# Altium PCB MS1_PCB.PcbDoc (part 1 of 2) (continued)
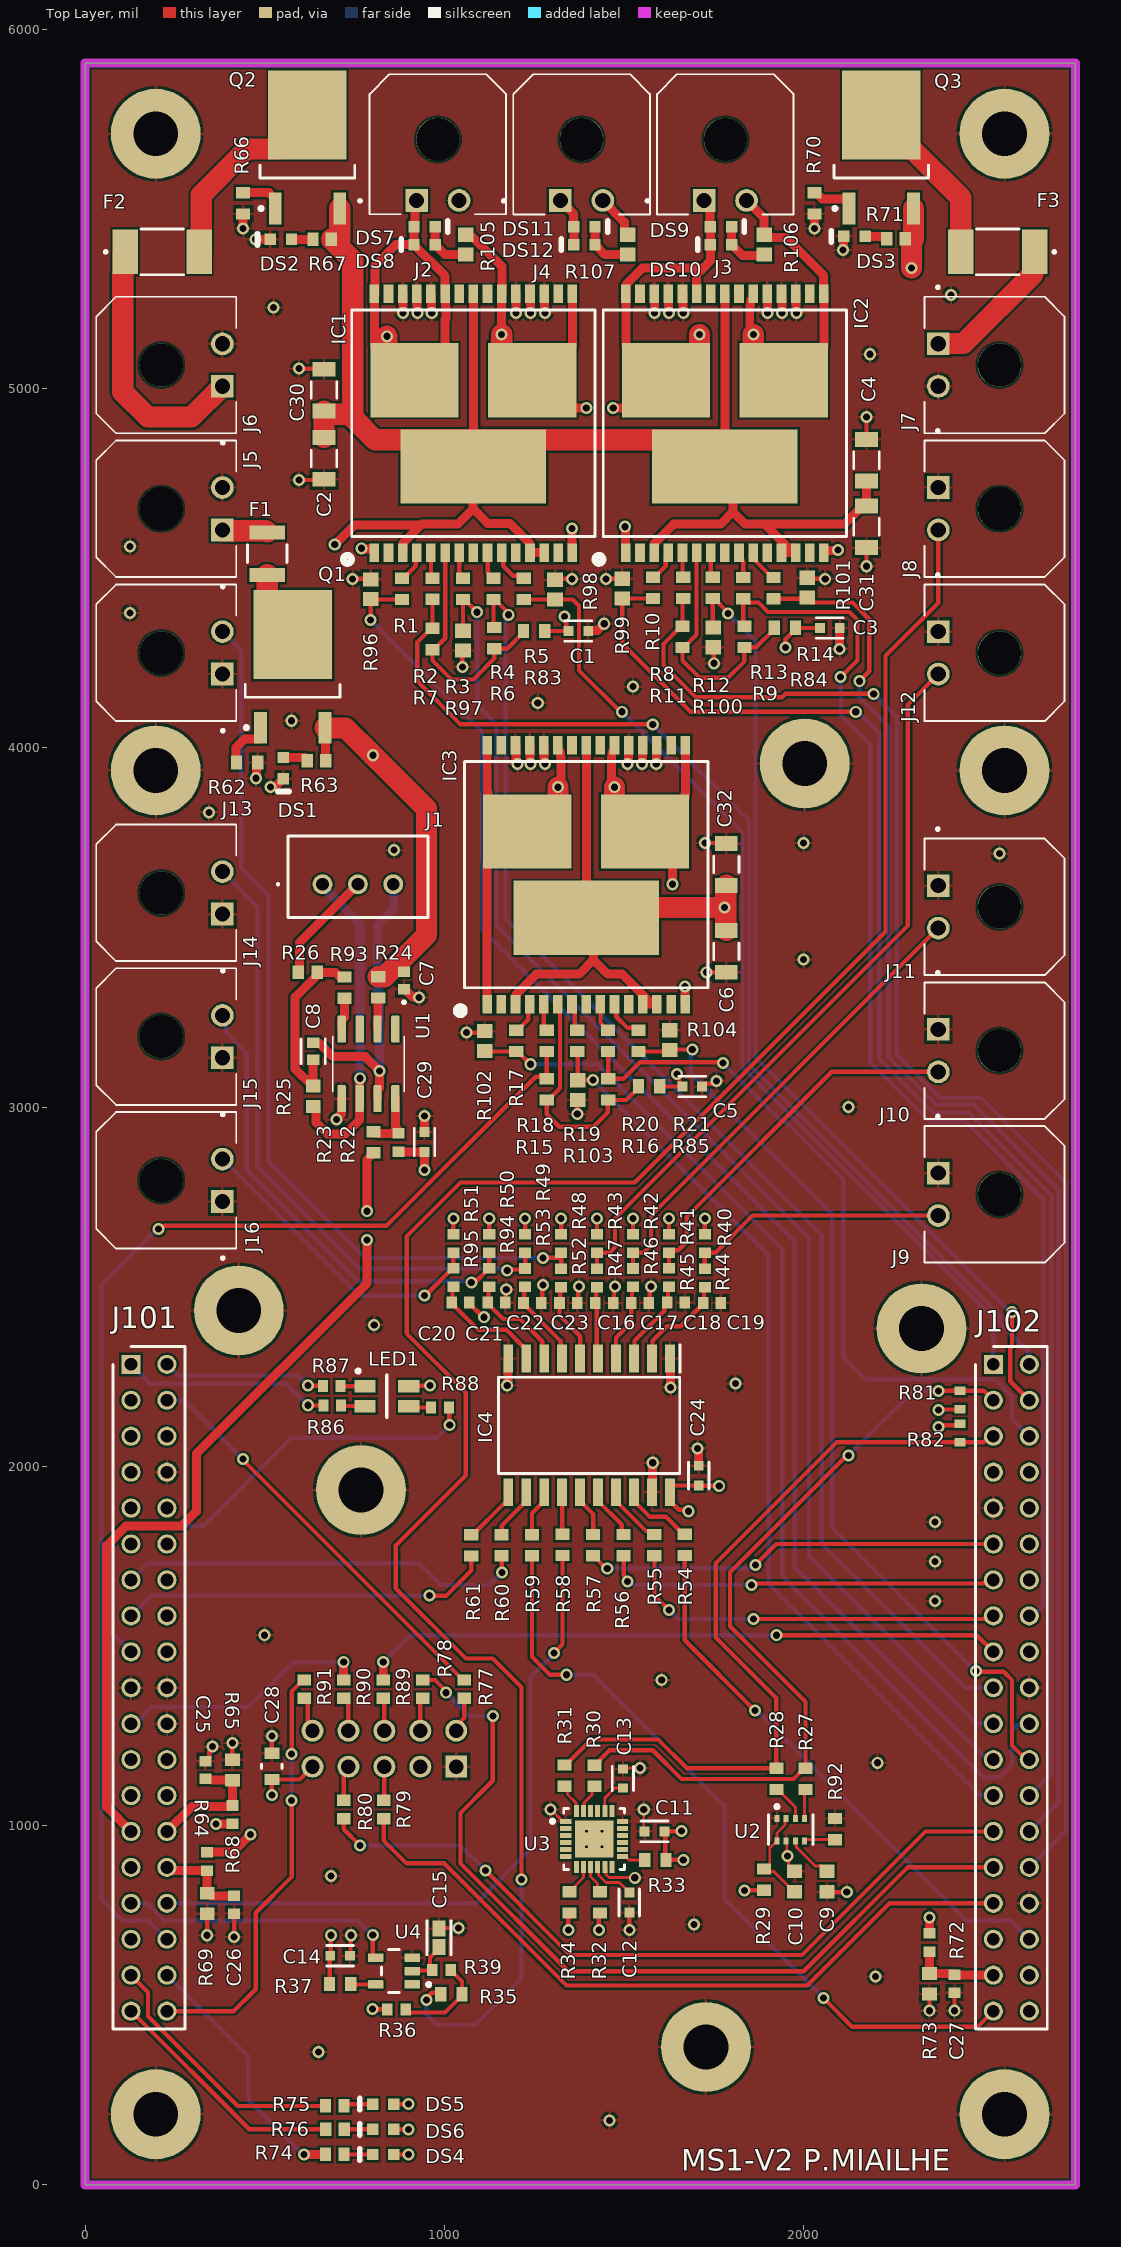
[diagram p0: Top Layer view]
## Part data (continued)
R65 R69 R73: library part CMP-2000-00317-1, Case Code (Imperial)=0603, Case Code (Metric)=1608, Manufacturer=Panasonic, Max Operating Temperature=155°C, Max Power Dissipation=100mW, Min Operating Temperature=-55°C, Package Quantity=1, Resistance=2kR, Resistance Tolerance=1%, Resistor Type="Thick Film", Supplier Part Number 1=667-ERJ-3EKF2001V, Temperature Coefficient=100ppm/°C, Voltage Rating=75V, Voltage Rating (DC)=50V, Case/Package=0603, Category="Chip SMD Resistors", ComponentLink1Description=https://datasheet.ciiva.com/43460/1678782-43460485.pdf?src-supplier=Farnell, ComponentLink1URL=https://datasheet.ciiva.com/43460/1678782-43460485.pdf?src-supplier=Farnell, ComponentLink2Description=https://datasheet.ciiva.com/6082/1678782-6082059.pdf?src-supplier=Farnell, ComponentLink2URL=https://datasheet.ciiva.com/6082/1678782-6082059.pdf?src-supplier=Farnell, ComponentLink3Description=https://datasheet.ciiva.com/46377/1678782-46377366.pdf?src-supplier=Element14, ComponentLink3URL=https://datasheet.ciiva.com/46377/1678782-46377366.pdf?src-supplier=Element14, ComponentLink4Description=https://datasheet.ciiva.com/28673/1678782-28673990.pdf?src-supplier=Element14, ComponentLink4URL=https://datasheet.ciiva.com/28673/1678782-28673990.pdf?src-supplier=Element14, ComponentLink5Description=https://datasheet.ciiva.com/24027/aoa0000ce2-24027453.pdf?src-supplier=Mouser, ComponentLink5URL=https://datasheet.ciiva.com/24027/aoa0000ce2-24027453.pdf?src-supplier=Mouser, ComponentLink6Description=https://datasheet.ciiva.com/16771/70260748-16771369.pdf?src-supplier=Allied+Electronics, ComponentLink6URL=https://datasheet.ciiva.com/16771/70260748-16771369.pdf?src-supplier=Allied+Electronics, ComponentLink7Description=https://datasheet.ciiva.com/16200/aoa0000ce2-16200501.pdf?src-supplier=Future+Electronics, ComponentLink7URL=https://datasheet.ciiva.com/16200/aoa0000ce2-16200501.pdf?src-supplier=Future+Electronics, ComponentLink8Description=https://datasheet.ciiva.com/30064/aoa0000ce2-30064920.pdf?src-supplier=Onlinecomponents.com, ComponentLink8URL=https://datasheet.ciiva.com/30064/aoa0000ce2-30064920.pdf?src-supplier=Onlinecomponents.com, ComponentLink9Description=https://datasheet.ciiva.com/17214/aoa0000ce2-17214393.pdf?src-supplier=Avnet+Europe, ComponentLink9URL=https://datasheet.ciiva.com/17214/aoa0000ce2-17214393.pdf?src-supplier=Avnet+Europe, Construction=Rectangular, Contact Plating=Tin, Depth=0.8mm, Features="Automotive AEC-Q200", Height=0.022inch, Lead Free="Lead Free", Length=1.6mm, Manufacturer Part Number=ERJ-3EKF2001V, Military Standard=Not, Mount="Surface Mount", Number of Terminations=2, Packaging="Tape and Reel", Part Number=ERJ-3EKF2001V, Power Rating=100mW, Pricing 1="1=0,10000, 10=0,03200, 50=0,03200, 100=0,01500, 1000=0,00700, 10000=0,00400 (USD)", Radiation Hardening=No, REACH SVHC="No SVHC", RoHS=Yes, RoHS Compliant=Yes, Series=ERJ, Size Code=0603, Stock 1=44455, Supplier 1=Mouser, Termination=SMD/SMT, Tolerance=1%, Width=0.031inch
R66 R70: library part CMP-2100-03667-1, "Chip Resistor, 0 Ohm, +/- 5%, 0.1 W, -55 to 155 degC, 0603 (1608 Metric), RoHS, Tape and Reel", Case Code (Imperial)=0603, Case Code (Metric)=1608, Manufacturer=Yageo, Max Operating Temperature=155degC, Max Power Dissipation=100mW, Min Operating Temperature=-55degC, Package Description="2-Pin Surface Mount Device, Body 1.6 x 0.8 mm", Package Quantity=5000, Resistance=0R, Resistance Tolerance=5%, Resistor Type="Thick Film", Supplier Part Number 1=603-RC0603JR-070RL, Temperature Coefficient=200ppm/degreesC, Voltage Rating=50V, Case/Package=0603, Category="Chip SMD Resistors", ComponentLink1Description=https://datasheet.ciiva.com/11808/pyu-r-int-6-11808700.pdf?src-supplier=RSComponents, ComponentLink1URL=https://datasheet.ciiva.com/11808/pyu-r-int-6-11808700.pdf?src-supplier=RSComponents, ComponentLink2Description=https://datasheet.ciiva.com/22747/443971-22747530.pdf?src-supplier=Element14, ComponentLink2URL=https://datasheet.ciiva.com/22747/443971-22747530.pdf?src-supplier=Element14, ComponentLink3Description=https://datasheet.ciiva.com/12555/rc0603-272842-12555254.pdf?src-supplier=Mouser, ComponentLink3URL=https://datasheet.ciiva.com/12555/rc0603-272842-12555254.pdf?src-supplier=Mouser, ComponentLink4Description=https://datasheet.ciiva.com/7746/1738695-7746421.pdf?src-supplier=Element14, ComponentLink4URL=https://datasheet.ciiva.com/7746/1738695-7746421.pdf?src-supplier=Element14, ComponentLink5Description=https://datasheet.ciiva.com/7746/1738695-7746422.pdf?src-supplier=Element14, ComponentLink5URL=https://datasheet.ciiva.com/7746/1738695-7746422.pdf?src-supplier=Element14, ComponentLink6Description=https://datasheet.ciiva.com/8883/pyu-rc0603-51-rohs-l-4-8883045.pdf?src-supplier=Avnet, ComponentLink6URL=https://datasheet.ciiva.com/8883/pyu-rc0603-51-rohs-l-4-8883045.pdf?src-supplier=Avnet, ComponentLink7Description=https://datasheet.ciiva.com/15189/getdatasheetpartid-329462-15189845.pdf?src-supplier=Verical, ComponentLink7URL=https://datasheet.ciiva.com/15189/getdatasheetpartid-329462-15189845.pdf?src-supplier=Verical, Composition=ThickFilm, Construction=Rectangular, Contact Plating=Tin, Datasheet URL=http://www.yageo.com/NewPortal/yageodocoutput?fileName=/pdf/R-Chip/PYu-RC_Group_51_RoHS_L_5.pdf, Datasheet Version="Rev. 5, 10/2016", Depth=0.8mm, Features="Moisture Resistant", Height=0.45mm, Lead Free=LeadFree, Length=1.6mm, Manufacturer Part Number=RC0603JR-070RL, Manufacturer URL=http://www.yageo.com/, Military Standard=Not, Number of Pins=2, Number of Terminations=2, Package Reference=0603, Packaging=TapeandReel, Power Rating=100mW, Pricing 1="1=0,10000, 10=0,01000, 50=0,01000, 100=0,00500, 1000=0,00400, 5000=0,00200, 10000=0,00200 (USD)", Radiation Hardening=No, REACH SVHC=NoSVHC, RoHS=Yes, RoHS Compliant=Yes, RoHSCompliant=true, Series=RC, Size Code=0603, Stock 1=968392, Supplier 1=Mouser, Technology="THICK FILM", Termination=SMD/SMT, Tolerance=5%, Voltage Rating (DC)=50V, Width=0.8mm
R77 R78 R79 R80 R89 R90 R91: library part CMP-2000-03816-5, "Chip Resistor, 0 Ohm, Jumper, 100 mW, -55 to 155 degC, 0603 (1608 Metric), RoHS, Tape and Reel", Manufacturer="Vishay Semiconductor", Max Operating Temperature="155 degC", Min Operating Temperature="-55 degC", Package Quantity=5000, Resistor=0R, Voltage Rating="75 V", ComponentLink1Description="Manufacturer URL", ComponentLink1URL=http://www.vishay.com/, ComponentLink2Description=Datasheet, ComponentLink2URL=http://www.vishay.com/docs/20035/dcrcwe3.pdf, DatasheetVersion=06/2012, Height="0.45 mm", Length="1.55 mm", Mount="Surface Mount", Mounting Technology="Surface Mount", PackageDescription="2-Pin Surface Mount Device, Body 1.575 x 0.85 mm", Packaging="Tape and Reel", Pins=2, REACH SVHC=Unknown, RoHSCompliant=true
R81 R82: library part CMP-2000-06942-1, "Chip Resistor, 4.7 KOhm, +/- 1%, 0.1 W, -55 to 155 degC, 0603 (1608 Metric), RoHS, Tape and Reel", Case Code (Imperial)=0603, Case Code (Metric)=1608, Manufacturer=Yageo, Max Operating Temperature=155°C, Max Power Dissipation=100mW, Min Operating Temperature=-55°C, Operating Temperature Range=-55Cto+155C, Package Description="2-Pin Surface Mount Device, Body 1.6 x 0.8 mm", Resistance=4.7k, Resistance Tolerance=1%, Resistor Type="Thick Film", Supplier Part Number 1=603-RC0603FR-074K7L, Temperature Coefficient=100PPM/C, Voltage Rating=50V, Case Code - mm=1608, Case/Package=0603, Category="Chip SMD Resistors", ComponentLink1Description=https://datasheet.ciiva.com/15189/getdatasheetpartid-422754-15189760.pdf?src-supplier=Verical, ComponentLink1URL=https://datasheet.ciiva.com/15189/getdatasheetpartid-422754-15189760.pdf?src-supplier=Verical, ComponentLink2Description=https://datasheet.ciiva.com/22747/443971-22747528.pdf?src-supplier=Element14, ComponentLink2URL=https://datasheet.ciiva.com/22747/443971-22747528.pdf?src-supplier=Element14, ComponentLink3Description=https://datasheet.ciiva.com/7660/38590-7660794.pdf?src-supplier=Element14, ComponentLink3URL=https://datasheet.ciiva.com/7660/38590-7660794.pdf?src-supplier=Element14, ComponentLink4Description=https://datasheet.ciiva.com/7746/1868787-7746365.pdf?src-supplier=Element14, ComponentLink4URL=https://datasheet.ciiva.com/7746/1868787-7746365.pdf?src-supplier=Element14, ComponentLink5Description=https://datasheet.ciiva.com/46440/1868787-46440909.pdf?src-supplier=Element14, ComponentLink5URL=https://datasheet.ciiva.com/46440/1868787-46440909.pdf?src-supplier=Element14, ComponentLink6Description=https://datasheet.ciiva.com/7746/1738695-7746366.pdf?src-supplier=Element14, ComponentLink6URL=https://datasheet.ciiva.com/7746/1738695-7746366.pdf?src-supplier=Element14, Construction=Rectangular, Datasheet URL=http://www.yageo.com/documents/recent/PYu-RC_Group_51_RoHS_L_7.pdf, Datasheet Version="Rev. 7, 05/2017", Depth=0.8mm, Features="Moisture Resistant", Height=0.45mm, Lead Free="Lead Free", Lead Pitch=0.3mm, Length=1.6mm, Manufacturer Part Number=RC0603FR-074K7L, Manufacturer URL=http://www.yageo.com/, Military Standard=Not, Mounting Technology=SurfaceMount, Number of Pins=2, Number of Terminations=2, Package Reference=0603, Packaging=Reel, Power Rating=100mW, Pricing 1="1=0,10000, 10=0,02400, 50=0,02400, 100=0,01000, 1000=0,00400, 5000=0,00300, 10000=0,00300 (USD)", Product=ThickFilmResistorsGeneralPurpose, REACH SVHC="No SVHC", RoHS=Yes, RoHS Compliant=Yes, Series=RC, Size Code=0603, Stock 1=772810, Supplier 1=Mouser, Termination=SMD/SMT, Termination Style=SMD/SMT, Tolerance=1%, Voltage Rating (DC)=50V, Width=0.8mm
R86 R87 R88: library part CMP-2000-00179-1, Case Code (Imperial)=0603, Case Code (Metric)=1608, Manufacturer=Panasonic, Manufacturer Part Number=ERJ3EKF1000V, Max Operating Temperature=155°C, Max Power Dissipation=100mW, Min Operating Temperature=-55°C, Package Quantity=5000, Resistance=100R, Resistance Tolerance=1%, Resistor Type="Thick Film", Supplier Part Number 1=1755733, Temperature Coefficient=100ppm/°C, Voltage Rating=75V, Category="Chip SMD Resistors", ComponentLink1Description=https://datasheet.ciiva.com/34303/1987450-34303565.pdf?src-supplier=Jameco, ComponentLink1URL=https://datasheet.ciiva.com/34303/1987450-34303565.pdf?src-supplier=Jameco, ComponentLink2Description=https://datasheet.ciiva.com/7830/aoa0000ce2-7830728.pdf?src-supplier=Element14, ComponentLink2URL=https://datasheet.ciiva.com/7830/aoa0000ce2-7830728.pdf?src-supplier=Element14, ComponentLink3Description=https://datasheet.ciiva.com/46372/1678782-46372726.pdf?src-supplier=Element14, ComponentLink3URL=https://datasheet.ciiva.com/46372/1678782-46372726.pdf?src-supplier=Element14, ComponentLink4Description=https://datasheet.ciiva.com/22667/1678782-22667887.pdf?src-supplier=Element14, ComponentLink4URL=https://datasheet.ciiva.com/22667/1678782-22667887.pdf?src-supplier=Element14, ComponentLink5Description=https://datasheet.ciiva.com/46372/1678782-46372727.pdf?src-supplier=Element14, ComponentLink5URL=https://datasheet.ciiva.com/46372/1678782-46372727.pdf?src-supplier=Element14, ComponentLink6Description=https://datasheet.ciiva.com/24159/aoa0000ce2-24159753.pdf?src-supplier=Mouser, ComponentLink6URL=https://datasheet.ciiva.com/24159/aoa0000ce2-24159753.pdf?src-supplier=Mouser, ComponentLink7Description=https://datasheet.ciiva.com/16762/70260748-16762666.pdf?src-supplier=Allied+Electronics, ComponentLink7URL=https://datasheet.ciiva.com/16762/70260748-16762666.pdf?src-supplier=Allied+Electronics, ComponentLink8Description=https://datasheet.ciiva.com/16765/70260748-16765766.pdf?src-supplier=Allied+Electronics, ComponentLink8URL=https://datasheet.ciiva.com/16765/70260748-16765766.pdf?src-supplier=Allied+Electronics, ComponentLink9Description=https://datasheet.ciiva.com/9186/aoa0000ce2-9186725.pdf?src-supplier=Avnet, ComponentLink9URL=https://datasheet.ciiva.com/9186/aoa0000ce2-9186725.pdf?src-supplier=Avnet, ComponentLink10Description=https://datasheet.ciiva.com/48530/aoa0000ce2-48530986.pdf?src-supplier=Avnet, ComponentLink10URL=https://datasheet.ciiva.com/48530/aoa0000ce2-48530986.pdf?src-supplier=Avnet, ComponentLink11Description=https://datasheet.ciiva.com/30088/aoa0000ce2-30088649.pdf?src-supplier=Onlinecomponents.com, ComponentLink11URL=https://datasheet.ciiva.com/30088/aoa0000ce2-30088649.pdf?src-supplier=Onlinecomponents.com, ComponentLink12Description=https://datasheet.ciiva.com/17207/aoa0000ce2-17207983.pdf?src-supplier=Avnet+Europe, ComponentLink12URL=https://datasheet.ciiva.com/17207/aoa0000ce2-17207983.pdf?src-supplier=Avnet+Europe, Construction=Rectangular, Contact Plating=Tin, Depth=0.8mm, Features="Automotive AEC-Q200", Height=0.45mm, Lead Free="Lead Free", Length=1.6mm, Military Standard=Not, Mount="Surface Mount", Number of Pins=2, Number of Terminations=2, Packaging="Tape and Reel", Part Number=ERJ-3EKF1000V, Power Rating=100mW, Pricing 1="5000=0,01000, 10000=0,00800, 15000=0,00800, 20000=0,00800, 5000=0,00700, 10000=0,00600, 15000=0,00600, 20000=0,00600 (USD)", Radiation Hardening=No, REACH SVHC="No SVHC", RoHS=Yes, RoHS Compliant=Yes, Series=ERJ, Size Code=0603, Stock 1=30000, Supplier 1=RSComponents, Termination=SMD/SMT, Tolerance=1%, Voltage Rating (DC)=75V, Weight=7.1E-05oz, Width=0.8mm
R96 R97 R98 R99 R100 R101 R102 R103 R104: library part CMP-2000-00875-1, Case Code (Imperial)=0603, Case Code (Metric)=1608, Manufacturer=Panasonic, Manufacturer Part Number=ERA-3AEB104V, Max Operating Temperature=155°C, Max Power Dissipation=100mW, Min Operating Temperature=-55°C, Package Quantity=5000, Resistance=100kR, Resistance Tolerance=0.1%, Resistor Type="Thin Film", Supplier Part Number 1=0566787, Temperature Coefficient=25ppm/°C, Voltage Rating=75V, Case/Package=0603, Category="Chip SMD Resistors", ComponentLink1Description=https://datasheet.ciiva.com/11808/0900766b80fe20f7-11808030.pdf?src-supplier=RSComponents, ComponentLink1URL=https://datasheet.ciiva.com/11808/0900766b80fe20f7-11808030.pdf?src-supplier=RSComponents, ComponentLink2Description=https://datasheet.ciiva.com/29183/451655-da-01-en-widerstand-0603-era-29183868.pdf?src-supplier=Conrad, ComponentLink2URL=https://datasheet.ciiva.com/29183/451655-da-01-en-widerstand-0603-era-29183868.pdf?src-supplier=Conrad, ComponentLink3Description=https://datasheet.ciiva.com/46388/485442-46388111.pdf?src-supplier=Element14, ComponentLink3URL=https://datasheet.ciiva.com/46388/485442-46388111.pdf?src-supplier=Element14, ComponentLink4Description=https://datasheet.ciiva.com/5734/485442-5734533.pdf?src-supplier=Farnell, ComponentLink4URL=https://datasheet.ciiva.com/5734/485442-5734533.pdf?src-supplier=Farnell, ComponentLink5Description=https://datasheet.ciiva.com/46422/485442-46422521.pdf?src-supplier=Element14, ComponentLink5URL=https://datasheet.ciiva.com/46422/485442-46422521.pdf?src-supplier=Element14, ComponentLink6Description=https://datasheet.ciiva.com/48530/era-eng-tds-48530350.pdf?src-supplier=Distrelec, ComponentLink6URL=https://datasheet.ciiva.com/48530/era-eng-tds-48530350.pdf?src-supplier=Distrelec, ComponentLink7Description=https://datasheet.ciiva.com/16724/70068849-16724943.pdf?src-supplier=Allied+Electronics, ComponentLink7URL=https://datasheet.ciiva.com/16724/70068849-16724943.pdf?src-supplier=Allied+Electronics, ComponentLink8Description=https://datasheet.ciiva.com/9186/aoa0000ce26-9186700.pdf?src-supplier=Avnet, ComponentLink8URL=https://datasheet.ciiva.com/9186/aoa0000ce26-9186700.pdf?src-supplier=Avnet, ComponentLink9Description=https://datasheet.ciiva.com/16202/aoa0000ce26-16202041.pdf?src-supplier=Future+Electronics, ComponentLink9URL=https://datasheet.ciiva.com/16202/aoa0000ce26-16202041.pdf?src-supplier=Future+Electronics, ComponentLink10Description=https://datasheet.ciiva.com/30100/54aoa0000ce26-30100782.pdf?src-supplier=Onlinecomponents.com, ComponentLink10URL=https://datasheet.ciiva.com/30100/54aoa0000ce26-30100782.pdf?src-supplier=Onlinecomponents.com, Construction=Rectangular, Contact Plating=Tin, Depth=0.8mm, Features="Automotive AEC-Q200", Height=0.45mm, Length=1.6mm, Military Standard=Not, Mount="Surface Mount", Number of Pins=2, Number of Terminations=2, Packaging="Tape and Reel", Part Number=ERA3AEB104V, Power Rating=100mW, Pricing 1="5=0.39000, 50=0.36200, 100=0.33800, 250=0.31600, 500=0.28800 (GBP)", Radiation Hardening=No, REACH SVHC="No SVHC", RoHS=Yes, RoHS Compliant=Yes, Series=ERA, Stock 1=29, Supplier 1=RSComponents, Technology="THIN FILM", Termination=SMD/SMT, Tolerance=0.1%, Width=0.8mm, Working Voltage=75V
R105 R106 R107: library part CMP-2000-00122-1, Case Code (Imperial)=0603, Case Code (Metric)=1608, Manufacturer=Panasonic, Max Operating Temperature=155°C, Max Power Dissipation=100mW, Min Operating Temperature=-55°C, Package Quantity=1, Resistance=750R, Resistance Tolerance=0.1%, Resistor Type="Thin Film", Supplier Part Number 1=6621117, Temperature Coefficient=25ppm/°C, Voltage Rating=75V, Case/Package=0603, Category="Chip SMD Resistors", ComponentLink1Description=https://datasheet.ciiva.com/11808/0900766b80fe20f7-11808070.pdf?src-supplier=RSComponents, ComponentLink1URL=https://datasheet.ciiva.com/11808/0900766b80fe20f7-11808070.pdf?src-supplier=RSComponents, ComponentLink2Description=https://datasheet.ciiva.com/29183/450701-da-01-en-widerstand-0603-era-29183748.pdf?src-supplier=Conrad, ComponentLink2URL=https://datasheet.ciiva.com/29183/450701-da-01-en-widerstand-0603-era-29183748.pdf?src-supplier=Conrad, ComponentLink3Description=https://datasheet.ciiva.com/48530/era-eng-tds-48530518.pdf?src-supplier=Distrelec, ComponentLink3URL=https://datasheet.ciiva.com/48530/era-eng-tds-48530518.pdf?src-supplier=Distrelec, ComponentLink4Description=https://datasheet.ciiva.com/7710/485442-7710616.pdf?src-supplier=Element14, ComponentLink4URL=https://datasheet.ciiva.com/7710/485442-7710616.pdf?src-supplier=Element14, ComponentLink5Description=https://datasheet.ciiva.com/7710/485442-7710617.pdf?src-supplier=Element14, ComponentLink5URL=https://datasheet.ciiva.com/7710/485442-7710617.pdf?src-supplier=Element14, ComponentLink6Description=https://datasheet.ciiva.com/7710/485442-7710618.pdf?src-supplier=Element14, ComponentLink6URL=https://datasheet.ciiva.com/7710/485442-7710618.pdf?src-supplier=Element14, ComponentLink7Description=https://datasheet.ciiva.com/30081/54aoa0000ce26-30081771.pdf?src-supplier=Onlinecomponents.com, ComponentLink7URL=https://datasheet.ciiva.com/30081/54aoa0000ce26-30081771.pdf?src-supplier=Onlinecomponents.com, ComponentLink8Description=https://datasheet.ciiva.com/22740/485442-22740940.pdf?src-supplier=Element14, ComponentLink8URL=https://datasheet.ciiva.com/22740/485442-22740940.pdf?src-supplier=Element14, ComponentLink9Description=https://datasheet.ciiva.com/9180/aoa0000ce26-9180142.pdf?src-supplier=Avnet, ComponentLink9URL=https://datasheet.ciiva.com/9180/aoa0000ce26-9180142.pdf?src-supplier=Avnet, Construction=Rectangular, Contact Plating=Tin, Depth=0.8mm, Features="Automotive AEC-Q200", Height=0.45mm, Lead Free="Lead Free", Length=1.6mm, Manufacturer Part Number=ERA-3AEB751V, Military Standard=Not, Mount="Surface Mount", Number of Pins=2, Number of Terminations=2, Packaging="Cut Tape", Part Number=ERA-3AEB751V, Power Rating=100mW, Pricing 1="5=0.80100, 50=0.74600, 100=0.69900, 250=0.64900, 500=0.59400 (USD)", Radiation Hardening=No, REACH SVHC="No SVHC", RoHS=Yes, RoHS Compliant=Yes, Series=ERA-3A, Stock 1=1, Supplier 1=RSComponents, Technology="THIN FILM", Termination=SMD/SMT, Tolerance=0.1%, Voltage Rating (DC)=75V, Width=0.8mm
U2: library part CMP-2000-05076-3, "SENSOR PRESSURE ABS", Case/Package=SMD/SMT, Max Operating Temperature=85°C, Min Operating Temperature=-40°C, Operating Pressure=15.95PSI, Lead Free="Lead Free", Max Pressure=290.08PSI, Number of Pins=8, Output Type=SPI, Port Style="No Port", Pressure Type=Absolute, Termination=SMD/SMT
U3: library part CMP-1753-00002-2, "3-Axis Gyroscope, Accelerometer and a Digital Motion Processor(TM) (DMP), 2.375 to 3.46 V, -40 to 85 degC, 24-Pin QFN, RoHS, Tape and Reel", Manufacturer=InvenSense, Standard Package=5,000, Category=Sensors,Transducers, Datasheet URL=http://datasheet.octopart.com/MPU-6050-InvenSense-datasheet-14421344.pdf, Datasheet Version="Rev. 3.3, 05/2012", Dynamic Catalog=MPU-6000™Series, Family=Multifunction, Featured Product=MPU-60506-Axis,IntegratedI²CSolution, Manufacturer URL=http://www.invensense.com/, Online Catalog=MPU-6000™Series, Other Names="1428-1007-2 / MPU6050", Output Type=Digital, Sensor Type=MotionTracking, Unit PriceUSD=Digital
U4: library part CMP-0859-00041-5, "IC BUF NON-INVERT 5.5V SOT23-5", Ambient Temperature Range High=+125°C, Ambient Temperature Range Low=-40°C, Manufacturer="Texas Instruments", Max Supply Voltage=5.5V, Min Supply Voltage=1.65V, Nominal Supply Current=10uA, Package=DBV0005A, Temperature="-40°C to +125°C", Automotive=No, Category=IC, ComponentLink2Description=Datasheet, ComponentLink2URL=http://www.ti.com/lit/ds/symlink/sn74lvc1g17.pdf, Device Class L1="Integrated Circuits (ICs)", Device Class L2="Logic ICs", Device Class L3=Buffers, Digikey Description="IC BUF NON-INVERT 5.5V SOT23-5", Height=1.45mm, Lead Free=Yes, Logic Function Desc=Non-Inverting, Manufacturer Part Number=SN74LVC1G17DBVT, Mouser Description="Buffers & Line Drivers SNGL Schmitt Trigger Buffer", Number Of Circuits=1, Number Of Inputs=1, Number Of Outputs=1, Octopart=https://octopart.com/sn74lvc1g17dbvt-texas+instruments-2326350, Propagation Delay=4.6ns, RoHS=TRUE, Standoff Height=0mm, Temperature Range High=+125°C, Temperature Range Low=-40°C

## Free pads (board coordinates)
  round 250 hole 125: 23(196.85,196.85) 24(2559.06,196.85) 25(196.85,3937.01) 26(2559.06,3937.01) 27(196.85,5708.66) 28(2559.06,5708.66) 29(1727.95,383.86) 30(2327.95,2383.86) 31(427.95,2433.86) 32(768.07,1934.25) 33(2003.07,3956.14)

## Via types
v1: diameter 33.46, hole 19.68, Top Layer to Bottom Layer, 202 vias
v2: diameter 19.68, hole 7.87, Top Layer to Bottom Layer, 4 vias

## Nets (pads, with @x,y where several pads share a name; then routed paths per layer and width w, separated by ;. In a path a pad name is that pad's centre, name@x,y a point inside that pad or via, vN(x,y) a via of type N, cw(c..) or ccw(c..) an arc to the next point about the centre after c; other vN are vias at no path point)
+3V3: C1.1 C3.1 C5.1 C11.1 C14.1 C24.1 C28.1 C29.1 DS4.1 DS5.1 DS6.1 IC4.20 J101.16 LED1.1 P10.9 R22.2 R29.2 R32.1 R33.1 R34.2 R36.2 R37.1 R40.2 R41.2 R42.2 R43.2 R48.2 R49.2 R50.2 R51.2 R81.2 R82.2 R83.1 R84.1 R85.1 | length 2054.3
  Top Layer w12: v1(520,1085) C28.1@520,1128.58 597.4,1128.58 P10.9@633.07,1164.25 ; R37.1@680.47,559 681.46,559.98 681.46,637.02 C14.1@682.44,638 683.72,639.28 683.72,693.72 v1(685,695) ; v1(800,490) 800.5,489.5 840.91,489.5 R36.2@841.41,489 ; DS4.1@859.52,85 v1(900,85) ; DS6.1@859.52,155 v1(900,155) ; DS5.1@859.52,225 v1(900,225) ; LED1.1@901.02,2222.85 902.1,2223.93 958.93,2223.93 v1(960,2225) ; R51.2@1025,2645.59 v1(1025,2690) ; R50.2@1125,2645.59 v1(1125,2690) ; R49.2@1225,2645.59 v1(1225,2690) ; R83.1@1279.53,4325 C1.1@1345.44,4325 1339.11,4331.33 1339.11,4360.89 v1(1335,4365) ; R48.2@1325,2645.59 v1(1325,2690) ; v1(1345,710) 1345,753.94 R34.2@1348,756.94 ; R43.2@1425,2645.59 v1(1425,2690) ; v1(1430,710) 1430,753.94 R32.1@1433,756.94 ; R42.2@1525,2645.59 v1(1525,2690) ; R85.1@1600,3058 1601,3057 C5.1@1662.44,3057 1654.66,3064.78 1654.66,3079.75 1647.95,3086.46 v1(1647.95,3092.27) ; R41.2@1625,2645.59 v1(1625,2690) ; v1(1660,985) 1659.5,984.5 1613.06,984.5 C11.1@1612.56,984 1614.81,981.75 1614.81,906.25 R33.1@1617.06,904 1618.06,905 v1(1665,905) ; v1(1680,1875) 1675.89,1879.11 1652.26,1879.11 1628,1903.37 IC4.20@1628,1927.98 1628,1938.66 1635.78,1946.44 C24.1@1708,1946.44 1708.72,1945.72 1764.28,1945.72 v1(1765,1945) ; R40.2@1725,2645.59 v1(1725,2690) ; v1(1835,820) 1835.24,820.24 1889.76,820.24 R29.2@1890,820.47 ; v1(1949.11,4279.11) 1949.11,4301.64 1977.53,4330.06 R84.1@1977.53,4334 1978.53,4333 C3.1@2045.44,4333 ; v1(2375,2110) 2379.11,2114.11 2430.52,2114.11 R82.2@2435,2118.59 ; v1(2375,2156.85) 2376.28,2158.13 2433.72,2158.13 R81.2@2435,2159.41
  Top Layer w25: R22.2@872,2875.41 872.26,2875.15 944.74,2875.15 C29.1@945,2874.88 v1(945,2825)
+9V: C7.1 J101.24 Q1.3 R24.2 R63.1 R64.2 | length 4815.7
  Top Layer w25: v1(365,1005) R64.2@410,1005 ; Q1.3@668.68,4055.24 668.68,3964.91 R63.1@669.59,3964
  Top Layer w59.06: Q1.3@667.76,4056.16 668.68,4055.24 668.92,4055 725,4055 v1(801,3979) 950,3830 950,3478.96 833.57,3362.53 R24.2@816,3362.53
  Int Layer 2 w25: J101.24@227.95,1183.86 363.38,1048.43 363.38,1006.62 v1(365,1005)
  Int Layer 2 w59.06: J101.24@227.95,1183.86 320,1275.91 320,2300 75,2545 75,3640 195,3760 705,3760 801,3856 v1(801,3979)
+9V_PAYLOAD: C6.1 C32.1 IC3.3 IC3.12 IC3.13 IC3.23 IC3.33 Q3.3 R71.1 R72.2 | length 7513.3
  Top Layer w25: IC3.3@1197.93,3298.75 IC3.3@1197.93,3286.54 1198.81,3287.43 1198.81,3313.06 1255.75,3370 1375,3370 1415,3410 ; IC3.33@1311.88,3443.81 IC3.33@1394.78,3526.7 1415,3506.48 1415,3410 ; IC3.33@1395,3527 IC3.23@1395,4007.31 ; IC3.12@1552.48,3286.84 IC3.13@1578.46,3286.84 ; IC3.13@1591.63,3286.54 1578.46,3286.54 1495,3370 1455,3370 1415,3410 ; R71.1@2282.59,5416 2282.59,5418.95 2285.84,5422.2 2289.94,5422.2 2304.59,5436.85 2304.59,5499.53 Q3.3@2305.76,5500.71 ; R72.2@2350,700.59 v1(2350,745)
  Top Layer w59.06: IC3.33@1395,3527 1423,3555 v1(1780,3555) ; C6.1@1785,3491.14 1783.03,3493.11 1783.03,3551.97 v1(1780,3555) ; C32.1@1785,3616.93 1783.03,3614.96 1783.03,3558.03 v1(1780,3555) ; v1(2300,5335) 2300,5410.24 2305.76,5416 Q3.3@2305.76,5500.71
  Int Layer 2 w25: 2285,3795.29 2285,2610 2150,2475 2150,2265 2430,1985 2430,825 v1(2350,745)
  Int Layer 2 w59.06: v1(1780,3555) 2044.71,3555 2285,3795.29 2285,5320 v1(2300,5335)